# Altium PCB tinyCamera.PcbDoc (part 2 of 2)
Units mil, origin at the board's own origin, x right, y up, seen from the top; angles counter-clockwise.
Board outline 1732.37 x 1495.98 mil, 4 copper layers (Top Layer, L2_GND, L3_PWR, Bottom Layer), stack 61.811 mil thick; 94 components, 77 nets, 443 pads, 253 vias.
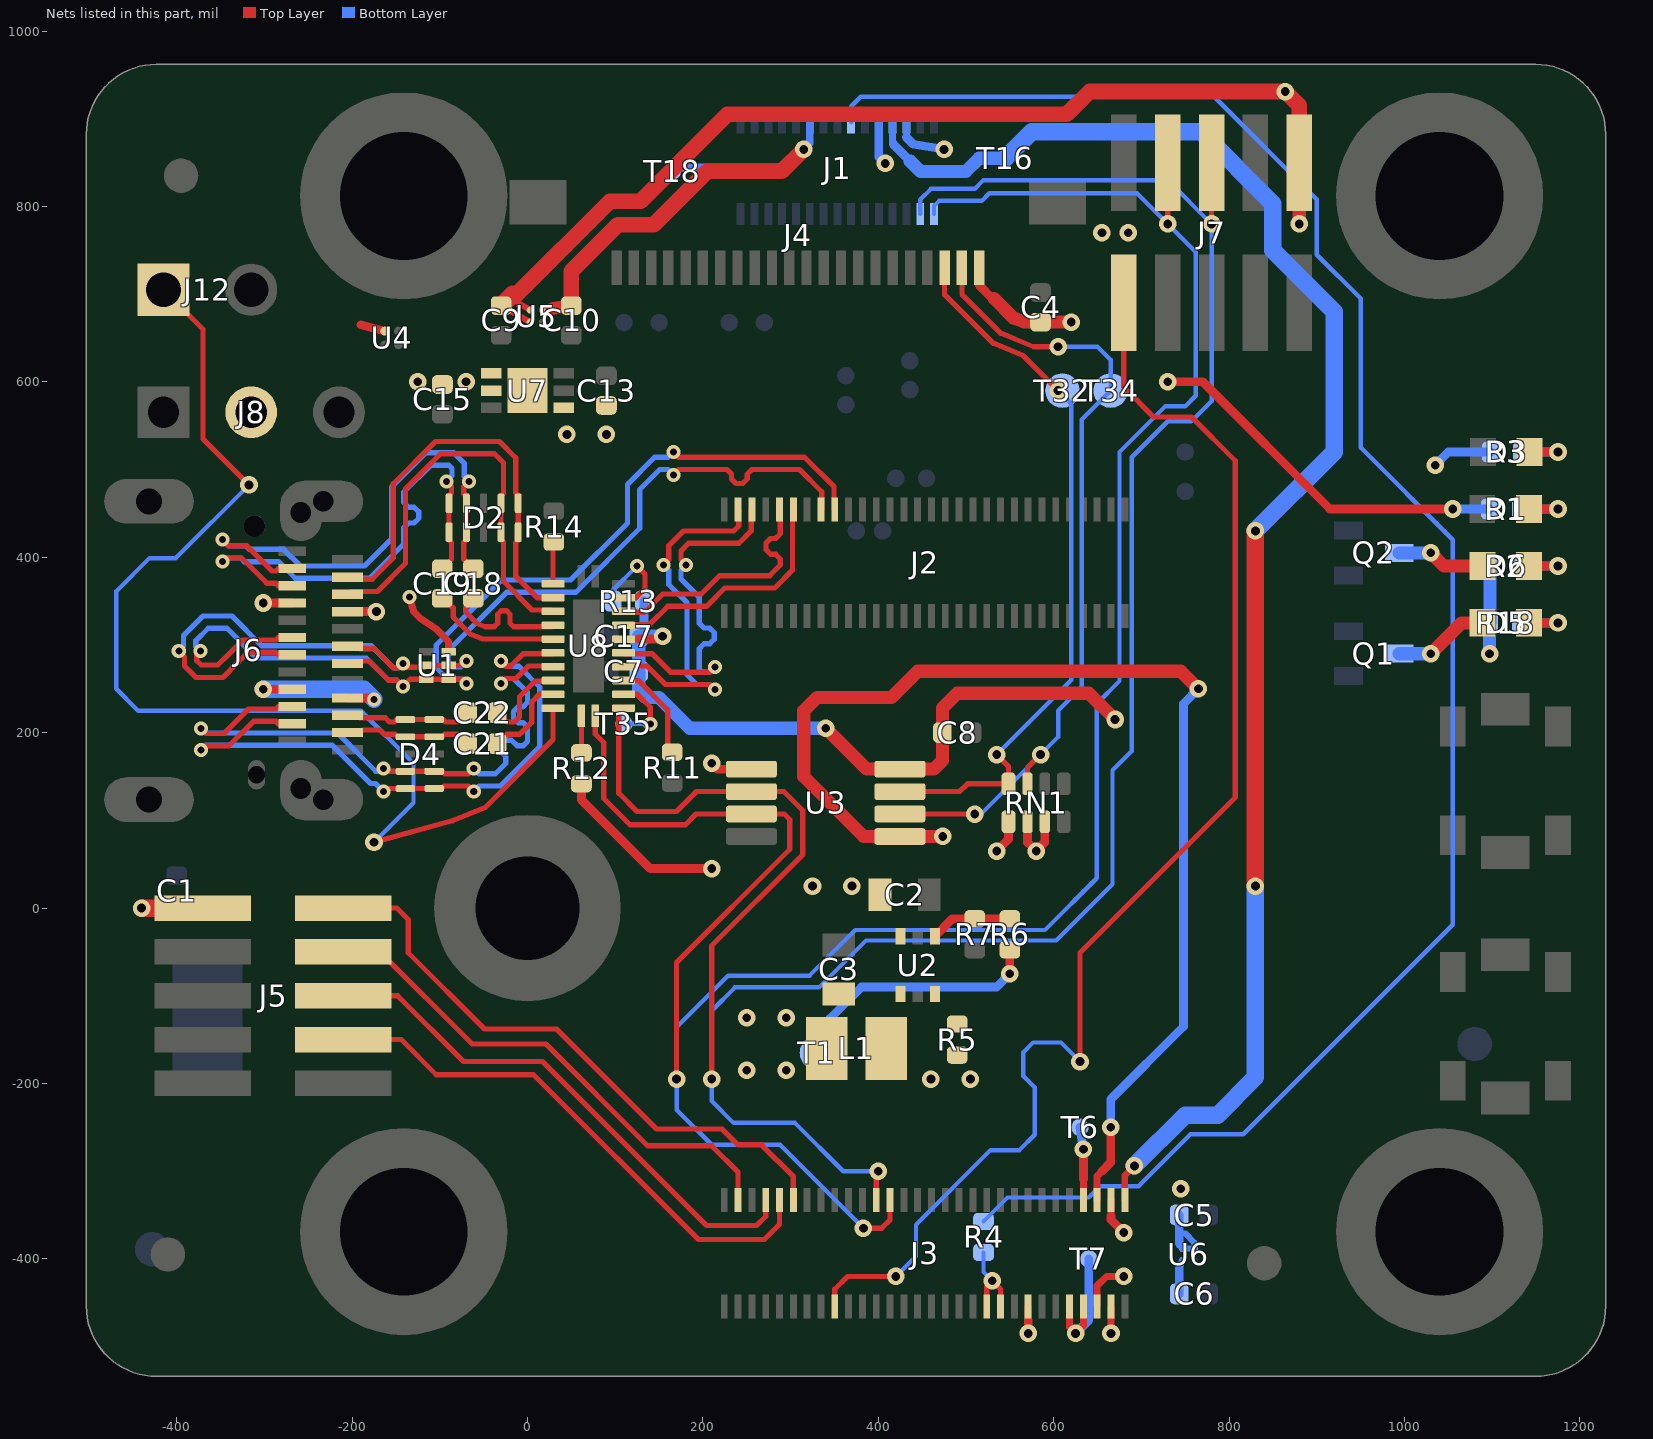
[diagram p4: the nets of this part, all layers, seen from the top]

## Via types
v1: diameter 20, hole 10, Top Layer to Bottom Layer, 155 vias
v2: diameter 16, hole 8, Top Layer to Bottom Layer, 90 vias
v3: diameter 30, hole 15, Top Layer to Bottom Layer, 8 vias

## Nets (pads, with @x,y where several pads share a name; then routed paths per layer and width w, separated by ;. In a path a pad name is that pad's centre, name@x,y a point inside that pad or via, vN(x,y) a via of type N, cw(c..) or ccw(c..) an arc to the next point about the centre after c; other vN are vias at no path point) (continued)
MCLK: J1.7 R4.2 | length 2168.6
  Bottom Layer w5: J1.7@369.09,895.68 369.09,914.09 380,925 783,925 900,808 900,745 950,695 950,525 1055,420 1055,-19 816,-258 756,-258 697,-317 653,-317 640,-330 547.28,-330 R4.2@519.99,-357.28
NetD1_1: D1.1 R1.2 | length 75.8
  Top Layer w10: D1.1@1141.79,455.01 v1(1175,455.01)
  Bottom Layer w10: R1.2@1132.4,455 v1(1175,455.01)
NetD3_1: D3.1 R3.2 | length 73.9
  Top Layer w10: D3.1@1142.73,520.01 v1(1175,520.01)
  Bottom Layer w10: R3.2@1133.35,520 v1(1175,520.01)
NetD5_1: D5.1 R18.2 | length 75.8
  Top Layer w10: D5.1@1141.79,325.17 v1(1175,325.17)
  Bottom Layer w10: R18.2@1132.41,325.16 v1(1175,325.17)
NetD5_2: D5.2 Q1.3 | length 109.3
  Top Layer w15: v1(1030,290) 1065.17,325.17 D5.2@1088.64,325.17
  Bottom Layer w15: Q1.3@993.94,290 v1(1030,290)
NetD6_1: D6.1 R2.2 | length 75.2
  Top Layer w10: D6.1@1142.1,390.01 v1(1175,390.01)
  Bottom Layer w10: R2.2@1132.72,390 v1(1175,390.01)
NetD6_2: D6.2 Q2.3 | length 101.2
  Top Layer w15: v1(1030,405) 1044.99,390.01 D6.2@1088.95,390.01
  Bottom Layer w15: Q2.3@993.94,405 v1(1030,405)
NetJ3_40: J3.40 J3.42 R4.1 | length 101.6
  Top Layer w6: J3.40@523.62,-454.33 523.62,-431.38 v1(530,-425) 539.37,-434.37 J3.42@539.37,-454.33
  Bottom Layer w5: R4.1@519.99,-392.72 519.99,-410.06 520,-415 v1(530,-425)
NetJ3_53: J3.53 T6.1 | length 83.4
  Top Layer w8: J3.53@633.86,-333.07 633.86,-309
  Top Layer w10: 633.86,-309 v1(633.86,-275)
  Bottom Layer w10: T6.1@630,-250 v1(633.86,-275)
NetJ12_1: J12.1 U8.22 | length 1336.9
  Top Layer w6: J12.1@-415,705 -370,660 -370,535 v1(-317.5,482.5) ; v1(-175,75) -84.83,99.62 -48.22,114.78 29.23,192.23 U8.22@29.23,227.95
  Bottom Layer w5: v1(-317.5,482.5) -401,399 -431,399 -469,361 -469,250 -444,225 -190,225 -130,165 -130,120 v1(-175,75)
NetL1_1: L1.1 U2.4
NetR5_2: R5.2 U2.6
NetR6_1: R6.1 R7.2 U2.1 | length 93.5
  Top Layer w10: U2.1@464.68,-32.01 484.41,-12.28 R7.2@510,-12.28 R6.1@550,-12.29
NetR11_2: R11.2 U8.3 | length 114.7
  Top Layer w6: U8.3@109.54,259.45 126.55,259.45 160,226 160,182.72 R11.2@165.01,177.72
NetR12_1: R12.1 U8.23 | length 42.3
  Top Layer w6: R12.1@61.51,177.03 U8.23@61.51,219.29
NetR13_2: R13.2 U8.9 | length 109.8
  Top Layer w6: U8.9@109.54,353.94 123.94,353.94 134,364 134,381 v2(125,390)
  Bottom Layer w5: R13.2@97.28,349.99 97.28,362.28 v2(125,390)
NetR14_1: R14.1 U8.13 | length 47.9
  Top Layer w6: U8.13@29.23,369.69 29.23,416.51 R14.1@30.01,417.29
NetT35_1: T35.1 U8.2 | length 85.5
  Top Layer w6: U8.2@109.54,243.7 125.3,243.7 140,229 v2(140,210)
  Bottom Layer w5: T35.1@110,210 v2(140,210)
P1V2D: C6.2 J1.4 J3.58 J3.59 T16.1 U6.A2 | length 1878.6
  Top Layer w7.5: J3.59@681.1,-333.07 681.1,-304.9 v1(692,-294)
  Top Layer w8: v1(665.35,-485) J3.58@665.35,-454.33
  Top Layer w20: v1(830,25) v1(830,430)
  Bottom Layer w8: J1.4@416.33,895.68 416.33,872.67 417,872 ; 743.07,-411 U6.A2@746.75,-401.89
  Bottom Layer w10: 417,872 417,871 436.5,851.5 ; C6.2@743.07,-440 743.07,-411
  Bottom Layer w15: 436.5,851.5 448,840 500,840 515,855 T16.1@545,855
  Bottom Layer w20: T16.1@545,855 575,885 768,885 850,803 850,750 920,680 920,520 v1(830,430) ; v1(692,-294) 750,-236 787,-236 830,-193 v1(830,25)
P1V8D: J1.3 J1.5 J3.55 U3.1 U3.5 | length 1530.8
  Top Layer w8: J3.55@649.61,-333.07 649.61,-305.39 655,-300
  Top Layer w10: v1(210,165) 216.61,158.39 U3.1@255.35,158.39 ; 655,-300 665,-290 v1(665,-250)
  Top Layer w15: v1(473.39,81.61) U3.5@424.65,81.61 383.39,81.61 315,150 315,225 330,240 415,240 445,270 745,270 v1(765,250)
  Bottom Layer w8: 432.08,878.92 J1.3@432.08,895.68
  Bottom Layer w10: J1.5@400.59,895.68 400.59,856.41 v1(408,849) ; 432.08,878.92 440,871 v1(475,865) ; v1(665,-250) 665,-218 748,-135 748,233 v1(765,250)
P2V8A: C10.2 J1.10 T18.1 U5.A2 | length 589
  Top Layer w7.5: U5.A2@16.89,681.89 29.05,683.74
  Top Layer w15: 29.05,683.74 C10.2@50,686.93
  Top Layer w18: C10.2@50,686.93 50,726 102.99,778.99 143.99,778.99 205,840 290,840 v1(315,865)
  Bottom Layer w8: v1(315,865) 321.85,871.85 J1.10@321.85,895.68
  Bottom Layer w10: T18.1@165,840 169,844 294,844 v1(315,865)
P3V3_SOM: C1.2 J3.56 J3.57 J5.1 R3.1 | length 282
  Top Layer w8: J3.56@649.61,-454.33 649.61,-430.39 660,-420 v1(680,-420) ; 665.35,-351 J3.57@665.35,-333.07
  Top Layer w10: 665.35,-351 665.35,-355.35 v1(680,-370)
  Top Layer w20: v1(-440,0) J5.1@-370,0
  Bottom Layer w10: v1(1035,505) 1050,520 R3.1@1097.92,520
  Bottom Layer w15: v1(-440,0) -403.07,0 C1.2@-400,3.07
P3V3D: C3.2 C4.2 C5.2 C7.2 C8.2 C9.2 C17.2 J4.1 J7.1 L1.2 R2.1 R5.1 R6.2 R13.1 R18.1 RN1.5 RN1.6 RN1.7 T1.1 U3.8 U5.A1 U5.B1 U6.A1 U6.B1 U8.6 | length 2731.4
  Top Layer w7: C9.2@-30,686.93 U5.B1@3.11,668.11 ; -11,690 U5.A1@3.11,681.89
  Top Layer w8: U8.6@109.54,306.69 127,306.69
  Top Layer w10: 127,306.69 150.69,306.69 v1(154,310) ; J4.1@515,730 515,710 530,695 532,695 ; v1(535,65) 548.5,78.5 RN1.5@548.5,98.34 ; v1(550,-75) R6.2@550,-47.72 ; RN1.6@570.15,98.34 570.15,74.85 v1(580,65) 589.84,74.84 RN1.7@589.84,98.34
  Top Layer w15: v1(340,205) 386.61,158.39 U3.8@424.65,158.39 463.39,158.39 473.07,168.07 C8.2@473.07,200 473.07,228.07 490,245 640,245 v1(670,215) ; 532,695 553.88,673.12 566.07,668.07 C4.2@585,668.07 v1(620,668.07) ; v1(880,780) J7.1@880,850
  Top Layer w18: -17,699.93 -12.07,699.93 94,806 129,806 228,905 615,905 641,931 v1(864,931) 880,915 J7.1@880,850
  Top Layer w20: C9.2@-30,686.93 -17,699.93
  Bottom Layer w7: 743.07,-382 743.07,-384.43 U6.A1@746.75,-388.11 U6.B1@760.53,-388.11 760.53,-381.53 750,-371
  Bottom Layer w10: C17.2@126.93,310 132.72,315.78 R13.1@132.72,349.99 ; 345,-126 381,-90 535,-90 v1(550,-75) ; 743.07,-382 C5.2@743.07,-350
  Bottom Layer w15: v1(154,310) C17.2@126.93,310 C7.2@126.93,270 126.93,248.07 135,240 150,240 185,205 v1(340,205) ; v1(1096.98,290) R18.1@1096.98,325.16 1097.29,325.47 R2.1@1097.29,390
  other v1: 745,-320 460,-195 505,-195 250,-185 295,-185 250,-125 295,-125
P5V: C2.2 C15.2 J3.46 J3.52 J3.54 J8.2 R1.1 R12.2 T7.1 U2.3 U4.A2 U7.4 U7.5 | length 843.9
  Top Layer w8: 570.87,-470 J3.46@570.87,-454.33 ; J3.52@618.11,-454.33 618.11,-478.11 v1(625,-485) 633.86,-476.14 J3.54@633.86,-454.33
  Top Layer w10: -190,665 U4.A2@-162.88,657.88 ; R12.2@61.51,141.6 61.51,123.49 140,45 v1(210,45) ; v1(570.87,-485) 570.87,-470 ; v1(730,600) 770,600 915,455 v1(1055,455)
  Bottom Layer w10: v1(625,-485) 640,-470 T7.1@640,-400 ; v1(1055,455) R1.1@1096.97,455
  other v1: 325,25 370,25 -125,600 -70,600 655,770 685,770
PROGN: J3.18 J7.10 | length 1535.5
  Top Layer w6: J3.18@350.39,-454.33 350.39,-434.61 365,-420 v1(420,-420) ; v1(630,-175) 630,-51 807,126 807,510 757,560 714,560 680,594 J7.10@680,690
  Bottom Layer w5: v1(420,-420) 443,-397 443,-361 528.05,-275.95 560.95,-275.95 578.45,-258.45 578.45,-204.65 565.5,-191.7 565.5,-164.3 576.5,-153.3 608.3,-153.3 v1(630,-175)
RX1_N: C19.1 U8.17 | length 150.5
  Top Layer w6: C19.1@-97.29,353.07 -95.54,353.07 -84.77,342.3 -84.77,331.97 -65.49,312.69 -51.01,306.69 U8.17@29.23,306.69
RX1_P: C18.1 U8.16 | length 153.3
  Top Layer w6: C18.1@-61.75,353.07 -61.75,351.32 -70.77,342.3 -70.77,337.77 -57.56,324.56 -48.22,320.69 -37.99,320.69 -33.89,324.79 -33.89,335.02 -29.79,339.12 -23.99,339.12 -19.89,335.02 -19.89,324.79 -15.79,320.69 27.48,320.69 U8.16@29.23,322.44
RX2_N: C22.1 U8.20 | length 101.3
  Top Layer w6: C22.1@-34.51,222.88 -23.67,212.04 -15,212.04 -9,218.04 -9,241 8.58,258.57 28.36,258.57 U8.20@29.23,259.45
RX2_P: C21.1 U8.21 | length 101.3
  Top Layer w6: C21.1@-34.51,187.34 -23.81,198.04 -9.2,198.04 5,212.24 5,235.2 14.37,244.57 28.36,244.57 U8.21@29.23,243.7
SCL: J1.29 J3.23 J7.5 U3.2 U8.1 | length 2829.7
  Top Layer w6: U8.1@109.54,227.95 104.1,227.95 104,227.85 104,131 125,110 170,110 192.8,132.8 U3.2@255.35,132.8 292.2,132.8 314,111 314,61 210,-43 v1(210,-195) ; J3.23@397.64,-333.07 397.64,-302.36 v1(400,-300) ; v1(780,780) J7.5@780,850
  Bottom Layer w5: v1(400,-300) 360,-300 305,-245 235,-245 210,-220 v1(210,-195) 210,-117 236.5,-90.5 332.5,-90.5 386,-37 603,-37 667,27 667,157 689,179 689,514 730,555 757,555 780,578 v1(780,780) 730,830 520,830 510,820 460,820 447.83,807.83 J1.29@447.83,791.35
SCL33: J4.3 RN1.4 T32.1 U3.7 | length 825.1
  Top Layer w6: U3.7@424.65,132.8 492.8,132.8 501.65,141.65 RN1.4@548.5,141.65 548.5,161.5 v1(535,175) ; J4.3@475.63,730 475.63,699.37 530.93,644.07 565.07,629.93 v1(605,590)
  Bottom Layer w5: v1(535,175) 620,260 620,575 v1(605,590)
SDA: J1.30 J3.25 J7.7 U3.3 U8.24 | length 2834.6
  Top Layer w6: U8.24@77.25,219.28 77.25,198.49 87,188.74 87,125 117,95 180,95 192.2,107.2 U3.3@255.35,107.2 292.8,107.2 299,101 299,67 170,-62 v1(170,-195) ; v1(383,-365) 404,-365 413.39,-355.61 J3.25@413.39,-333.07 ; v1(730,780) J7.7@730,850
  Bottom Layer w5: v1(383,-365) 288,-270 210,-270 170,-230 v1(170,-195) 170,-136 229,-77 321.65,-77 373.65,-25 590,-25 649,34 649,233 675,259 675,520 727,572 750,572 762,584 762,748 v1(730,780) 695,815 526.63,815 517.93,806.3 469.26,806.3 463.58,800.62 J1.30@463.58,791.35
SDA33: J4.2 RN1.3 T34.1 U3.6 | length 938.7
  Top Layer w6: U3.6@424.65,107.2 v1(510,107.2) ; J4.2@495.32,730 495.32,699.68 539.51,655.49 576.9,640 v1(605,640) ; RN1.3@570.15,141.65 570.15,160.15 v1(585,175)
  Bottom Layer w5: v1(510,107.2) 517.2,107.2 v1(585,175) 605,195 605,225 632.09,252.09 632.09,557.09 T34.1@665,590 665,625 650,640 v1(605,640)
SS_RX1_N: C19.2 D2.5 D2.6 J6.B10 | length 605.1
  Top Layer w6: v2(-347.93,395.05) -343.98,399 -325.8,399 -297.16,370.36 -286.95,370.36 -284.11,367.51 J6.B10@-268.2,367.52 ; C19.2@-97.29,386.93 -86.52,397.7 -86.52,416.52 -89.37,419.37 D2.6@-89.37,428.56 D2.5@-89.37,461.44 -89.37,470.63 -86.52,473.48 -86.52,480.49 v2(-92.52,486.49)
  Bottom Layer w6: v2(-347.93,395.05) -347.49,395.49 -347.08,395.49 -343.57,399 -326.8,399 -322.8,395 -283.8,395 -264.8,376 -180,376 -141,415 -141,433.79 -135.73,439.06 -129.27,439.06 -124,444.33 -124,451.79 -129.27,457.06 -135.73,457.06 -141,462.33 -141,474.2 -110.2,505 -89.8,505 -86,501.2 -86,493.01 v2(-92.52,486.49)
SS_RX1_P: C18.2 D2.4 D2.7 J6.B11 | length 608.8
  Top Layer w6: v2(-347.93,420.05) -340.86,413 -320,413 -291.36,384.36 -286.97,384.36 -284.13,387.2 J6.B11@-268.2,387.2 ; v2(-66.52,486.49) -72.52,480.49 -72.52,472.52 -69.68,469.68 D2.4@-69.68,461.44 D2.7@-69.68,428.56 -69.68,420.32 -72.52,417.48 -72.52,397.7 C18.2@-61.75,386.93
  Bottom Layer w6: v2(-347.93,420.05) -340.88,413 -321,413 -317,409 -278,409 -259,390 -185.8,390 -155,420.8 -155,480 -116,519 -84,519 -72,507 -72,491.97 v2(-66.52,486.49)
SS_RX2_N: C22.2 D4.5 D4.6 J6.A10 | length 147
  Top Layer w6: J6.A10@-205.21,219.88 -193.62,219.88 -190.78,217.04 -162.24,217.04 -157.24,212.04 -151.96,212.04 -149.05,214.95 D4.6@-139.19,214.95 D4.5@-106.31,214.95 -96.45,214.95 -93.54,212.04 -79.21,212.04 C22.2@-68.37,222.88
SS_RX2_P: C21.2 D4.4 D4.7 J6.A11 | length 146.8
  Top Layer w6: J6.A11@-205.21,200.2 -191.06,200.2 -188.22,203.04 -168.04,203.04 -163.04,198.04 -151.04,198.04 -148.26,195.26 D4.7@-139.19,195.26 D4.4@-106.31,195.26 -97.24,195.26 -94.46,198.04 -79.07,198.04 C21.2@-68.37,187.34
SS_RX_N: J2.5 U8.5 | length 422
  Top Layer w6: U8.5@109.54,290.95 110.41,290.07 141.93,290.07 163,269 207.73,269 v2(213.73,275) ; v2(181,391.27) 175,397.27 175,407.2 183.8,416 241,416 255.03,430.03 255.03,453.45 J2.5@255.91,454.33
  Bottom Layer w6: v2(181,391.27) 175,385.27 175,375 196,354 196,324.57 201.27,319.29 207.73,319.29 213,314.02 213,306.57 207.73,301.29 201.27,301.29 196,296.02 196,271.8 198.8,269 207.73,269 v2(213.73,275)
SS_RX_P: J2.3 U8.4 | length 423.6
  Top Layer w6: U8.4@109.54,275.2 110.41,276.07 136.13,276.07 157.2,255 207.73,255 v2(213.73,249) ; v2(155,391.27) 161,397.27 161,413 178,430 235.2,430 241.03,435.83 241.03,453.45 J2.3@240.16,454.33
  Bottom Layer w6: v2(155,391.27) 161,385.27 161,369.2 182,348.2 182,266 193,255 207.73,255 v2(213.73,249)
SS_TX1_N: D2.2 D2.9 J6.A3 U8.15 | length 506.4
  Top Layer w6: J6.A3@-205.21,357.68 -201.89,361 -171.2,361 -139,393.2 -139,478 -99,518 -37.8,518 -27.47,507.67 -27.47,472.53 -30.31,469.69 D2.2@-30.32,461.44 D2.9@-30.32,428.56 -30.31,420.31 -27.47,417.47 -27.47,372.67 5.26,339.94 27.48,339.94 U8.15@29.23,338.19
SS_TX1_P: D2.1 D2.10 J6.A2 U8.14 | length 505.3
  Top Layer w6: J6.A2@-205.21,377.36 -202.85,375 -177,375 -153,399 -153,483.8 -104.8,532 -32,532 -13.47,513.47 -13.47,473.47 -10.63,470.63 D2.1@-10.63,461.44 D2.10@-10.63,428.56 -10.63,419.37 -13.47,416.53 -13.47,378.47 11.06,353.94 U8.14@29.23,353.94
SS_TX2_N: D4.2 D4.9 J6.B3 U8.19 | length 745.3
  Top Layer w6: v2(-372.24,204.99) -366.29,199.05 -346.06,199.05 -318.23,226.88 -286.97,226.88 -284.13,229.72 J6.B3@-268.2,229.72 ; v2(-164.24,159.05) -161.08,155.89 D4.9@-139.19,155.89 D4.2@-106.31,155.89 D4.2@-97.13,155.89 ; D4.2@-97.12,155.9 -94.27,153.05 -67.26,153.05 v2(-61.26,159.05) ; v2(-30.35,255.78) -24.35,261.78 -13.21,261.78 1.08,276.07 28.36,276.07 U8.19@29.23,275.2
  Bottom Layer w6: v2(-372.24,204.99) -366.74,199.49 -216.49,199.49 -173,156 -167.29,156 v2(-164.24,159.05) ; v2(-61.26,159.05) -55.26,153.05 -36.75,153.05 -24.78,165.02 -24.78,172.48 -30.92,178.62 -30.92,186.08 -25.65,191.35 -18.2,191.35 -12.05,185.2 -4.6,185.2 0,189.8 0,206.11 -5.27,211.38 -10.73,211.38 -16,216.65 -16,224.11 -10.73,229.38 -5.27,229.38 0,234.65 0,245.99 -15.8,261.78 -24.35,261.78 v2(-30.35,255.78)
SS_TX2_P: D4.1 D4.10 J6.B2 U8.18 | length 748.1
  Top Layer w6: v2(-372.24,179.99) -367.19,185.05 -340.26,185.05 -312.43,212.88 -286.95,212.88 -284.11,210.03 J6.B2@-268.2,210.04 ; v2(-164.24,133.05) -161.09,136.2 D4.10@-148.38,136.2 ; D4.10@-148.37,136.21 D4.10@-139.19,136.21 D4.1@-106.31,136.21 -98.07,136.21 -95.23,139.05 -67.26,139.05 v2(-61.26,133.05) ; v2(-30.35,281.78) -24.35,275.78 -19.01,275.78 -4.72,290.07 28.36,290.07 U8.18@29.23,290.95
  Bottom Layer w6: v2(-372.24,179.99) -366.74,185.49 -222.29,185.49 -178.8,142 -173.19,142 v2(-164.24,133.05) ; v2(-61.26,133.05) -55.26,139.05 -30.95,139.05 14,184 14,251.78 -10,275.78 -24.35,275.78 v2(-30.35,281.78)
SS_TX_N: J2.11 U8.7 | length 288.2
  Top Layer w6: U8.7@109.54,322.44 110.41,323.32 139.32,323.32 160,344 204,344 225,365 282,365 302.28,385.28 302.28,453.45 J2.11@303.15,454.33
SS_TX_P: J2.9 U8.8 | length 285.2
  Top Layer w6: U8.8@109.54,338.19 110.41,337.32 133.52,337.32 154.2,358 198.2,358 219.2,379 276.2,379 288.28,391.07 288.28,398.07 283,403.34 277.27,403.34 272,408.62 272,416.07 277.27,421.34 283,421.34 288.28,426.62 288.28,453.45 J2.9@287.4,454.33
TCK: J3.3 J5.4 | length 586.1
  Top Layer w6: J5.4@-210,-50 -168,-50 -63,-155 21,-155 137,-271 210,-271 240.16,-301.16 J3.3@240.16,-333.07
TDI: J3.9 J5.8 | length 626.6
  Top Layer w6: J5.8@-210,-150 -144,-150 -104,-190 7,-190 195,-378 270,-378 287.4,-360.6 J3.9@287.4,-333.07
TDO: J3.7 J5.6 | length 612.9
  Top Layer w6: J5.6@-210,-100 -148,-100 -73,-175 17,-175 204,-362 261,-362 271.65,-351.35 J3.7@271.65,-333.07
TMS: J3.11 J5.2 | length 689.1
  Top Layer w6: J5.2@-210,0 -149,0 -136,-13 -136,-51 -49,-138 33,-138 147,-252 222,-252 240,-270 267,-270 303.15,-306.15 J3.11@303.15,-333.07
USB2_N: J2.17 J6.A7 J6.B7 U1.3 U1.4 | length 1256.2
  Top Layer w6: v2(-372.61,292.97) -377,288.58 -377,282 -372,277 -353.11,277 -339.81,290.29 -324.49,305.61 -286.97,305.61 -284.13,308.45 J6.B7@-268.2,308.45 ; J6.A7@-205.21,278.94 -191.06,278.94 -188.22,281.78 -180.58,281.78 -158.58,259.78 -149.14,259.78 v2(-142.14,252.78) -134.02,260.91 U1.3@-115.54,260.91 -89.95,260.91 -74.47,260.91 v2(-69.35,255.78) ; v2(166.27,520) 172.27,514 316,514 349.52,480.48 349.52,455.2 J2.17@350.39,454.33
  Bottom Layer w6: v2(-372.61,292.97) -378.11,298.47 -378.11,304.89 -364,319 -342.8,319 -308.8,285 -183.8,285 -158.58,259.78 -149.14,259.78 v2(-142.14,252.78) ; v2(-69.35,255.78) -74.56,261 -91,261 -104,274 -104,299.8 -29.8,374 49.2,374 114,438.8 114,483 145,514 160.27,514 v2(166.27,520)
USB2_P: J2.15 J6.A6 J6.B6 U1.2 U1.5 | length 1251.7
  Top Layer w6: v2(-397.61,292.97) -391,286.36 -391,276.19 -377.8,263 -347.31,263 -329.92,280.39 -318.69,291.61 -286.95,291.61 -284.11,288.78 J6.B6@-268.2,288.78 ; J6.A6@-205.21,298.62 -193.62,298.62 -190.78,295.78 -174.78,295.78 -152.79,273.78 -147.14,273.78 v2(-142.14,278.78) -138.02,274.66 -117.54,274.66 U1.2@-115.54,276.66 -89.95,276.66 -74.47,276.66 v2(-69.35,281.78) ; v2(166.27,494) 172.27,500 227.31,500 232.59,494.73 232.59,489.27 237.86,484 245.31,484 250.59,489.27 250.59,494.73 255.86,500 310.2,500 335.52,474.68 335.52,455.2 J2.15@334.65,454.33
  Bottom Layer w6: v2(-397.61,292.97) -392.11,298.47 -392.11,310.69 -369.8,333 -337,333 -303,299 -178,299 -152.79,273.78 -147.14,273.78 v2(-142.14,278.78) ; v2(-69.35,281.78) -76.13,275 -85.2,275 -90,279.8 -90,294 -24,360 55,360 128,433 128,477.2 150.8,500 160.27,500 v2(166.27,494)
VBUSC: C13.2 J6.A4 J6.A9 J6.B4 J6.B9 U1.6 U7.1 U7.7 | length 341.1
  Top Layer w8: v2(-134.67,354.45) -129.5,337.5 -122.04,330.04 -103.96,317.96 -89.95,303.95 U1.6@-89.95,292.4
  Top Layer w10: v1(-301.17,249.41) J6.B4@-268.2,249.41 ; v1(-301.17,347.82) J6.B9@-268.2,347.83 ; J6.A9@-205.21,239.57 -177.57,239.57 v2@-176,238 ; J6.A4@-205.21,337.99 v1(-172.24,337.99)
  Bottom Layer w19.68: v1(-301.17,249.41) -186.41,249.41 v2(-175,238)
  other v1: 45,540 90,540
pads on no net: FID1.1 FID2.1 FID3.1 FID4.1 FID5.1 FID6.1 J1.1 J1.2 J1.11 J1.13 J1.14 J1.17 J1.18 J2.4 J2.6 J2.10 J2.12 J2.16 J2.18 J2.39 J2.40 J2.41 J2.42 J2.45 J2.46 J2.47 J2.48 J2.51 J2.52 J2.53 J2.54 J2.57 J2.58 J2.59 J2.60 J3.4 J3.6 J3.8 J3.10 J3.12 J3.14 J3.20 J3.22 J3.24 J3.26 J3.28 J3.29 J3.30 J3.31 J3.32 J3.33 J3.34 J3.35 J3.36 J3.37 J3.38 J3.39 J3.41 J3.43 J3.45 J3.60 J4.8 J4.9 J4.11 J4.12 J5.7 J6. J6.A8 J6.B8 RN1.2 SW1.G1 SW1.G2 SW1.G3 SW1.G4 SW2.G1 SW2.G2 SW2.G3 SW2.G4 U7.3 U8.10

## Polygon pours and split planes (outlines as drawn)
GND on L3_PWR "L3_PWR-GND" (solid, pour order 15): -465,93 165,93 175,103 175,165 202.5,192.5 392.5,192.5 545,345 545,583 520,608 520,755 445,830 275,830 193,748 94,748 -123,531 -466,531 -483,514 -483,111 -465,93
P1V8D on L3_PWR "L3_PWR-P1V8D" (solid, pour order 12): 505,875 405,875 395,865 395,845 406,834 447,834 448,833 462,833 530,765 530,611 550,591 550,340 395,185 210,185 185,160 185,105 275,15 440,15 495,70 630,205 630,630 600,660 600,820 545,875 505,875
P5V on L3_PWR "L3_PWR-P5V" (solid, pour order 13): -340,545 -150,545 75,770 150,770 185,770 265,850 355,850 395,890 555,890 610,835 610,765 625,750 690,750 705,765 705,895 660,940 -296,940 -355,881 -355,560 -340,545
P3V3D on L3_PWR "L3_PWR-P3V3D" (solid, pour order 16): 832.19,932.01 841.19,941 895,941 903,932.01 1149.35,932.02 1153.73,931.83 1158.05,931.26 1162.31,930.32 1166.47,929 1170.5,927.34 1174.37,925.32 1178.05,922.98 1181.51,920.32 1184.73,917.38 1187.67,914.16 1190.33,910.7 1192.67,907.02 1194.69,903.15 1196.35,899.12 1197.67,894.96 1198.61,890.7 1199.18,886.38 1199.37,882.02 1199.37,579.37 1185,565 1020,565 1005,550 1005,490 1020,475 1070,475 1105,440 1105,-140 900,-345 -210,-345 -300,-255 -300,54 -263,91 188,91 272,7 456,7 645,196 645,625 610,660 610,730 622.5,742.5 697.5,742.5 720,765 720,922 730,932
P3V3_SOM on L3_PWR "L3_PWR-P3V3_SOM" (solid, pour order 14): 1185,550 1030,550 1020,540 1020,500 1030,490 1065,490 1120,435 1120,-150 915,-355 -225,-355 -345,-235 -345,50 -365,70 -444,70 -465,49 -465,-410 -385,-490 1160,-490 1205,-445 1205,530 1185,550
P5V on Bottom Layer "BOTTOM-P5V 1" (solid, pour order 19): 45,-130 45,-310 15,-340 15,-490 30,-505 130,-505 130,-405 180,-355 180,-285 150,-255 150,-140 227.5,-62.5 227.5,-12.5 255,15 410,15 510,115 510,175 582.72,247.72 582.72,310 595,322.28 595,565 582.72,577.28 582.72,662.72 605,685 650,685 695,640 695,600 710,585 735,585 750,600 750,745 690,805 540,805 528.8,793.8 528.8,619.65 541.24,607.21 541.24,381.24 485,325 485,285 325,125 210,125 135,50 135,-40 45,-130
VBUSC on Bottom Layer "BOTTOM-VBUSC" (solid, pour order 18): 100,560 25,560 -180,355 -275,355 -300,380 -415,380 -457,338 -457,262 -430,235 -205,235 -185,235 -182.5,232.5 -180,230 -170,230 -167,233 -167,237 -192,262 -397,262 -430,295 -430,325 -420,335 -317,335 -292,310 -140,310 -25,425 -25,440 50,515 90,515 105,530 105,555
P5V on Bottom Layer "BOTTOM-P5V" (solid, pour order 17): 655,-385 610,-385 530,-465 85,-465 25,-405 15,-405 15,-490 30,-505 620,-505 655,-470 655,-385
GND on L2_GND "L2_GND-GND" (solid, remove dead copper, pour order 0): -483,882.02 -482.77,887.25 -482.09,892.44 -480.96,897.55 -479.38,902.54 -477.38,907.38 -474.96,912.02 -472.15,916.43 -468.96,920.59 -465.43,924.45 -461.57,927.98 -457.41,931.17 -453,933.98 -448.36,936.4 -443.52,938.4 -438.53,939.98 -433.42,941.11 -428.23,941.79 -423,942.02 1149.37,942.02 1154.6,941.79 1159.79,941.11 1164.9,939.98 1169.89,938.4 1174.73,936.4 1179.37,933.98 1183.78,931.17 1187.94,927.98 1191.8,924.45 1195.33,920.59 1198.52,916.43 1201.33,912.02 1203.75,907.38 1205.75,902.54 1207.33,897.55 1208.46,892.44 1209.14,887.25 1209.37,882.02 1209.37,-453.96 1209.14,-459.19 1208.46,-464.38 1207.33,-469.49 1205.75,-474.48 1203.75,-479.32 1201.33,-483.96 1198.52,-488.37 1195.33,-492.53 1191.8,-496.39 1187.94,-499.92 1183.78,-503.11 1179.37,-505.92 1174.73,-508.34 1169.89,-510.34 1164.9,-511.92 1159.79,-513.05 1154.6,-513.73 1149.37,-513.96 -423,-513.96 -428.23,-513.73 -433.42,-513.05 -438.53,-511.92 -443.52,-510.34 -448.36,-508.34 -453,-505.92 -457.41,-503.11 -461.57,-499.92 -465.43,-496.39 -468.96,-492.53 -472.15,-488.37 -474.96,-483.96 -477.38,-479.32 -479.38,-474.48 -480.96,-469.49 -482.09,-464.38 -482.77,-459.19 -483,-453.96 -483,882.02

## Other copper
Top Layer:
  region net GND: 30,665 94,665 111,648 111,601 105,595 75,595 65,585 30,585 30,595 60,595 65,600 65,630 60,635 -65,635 -70,640 -70,660 -65,665 -20,665 -10,655 20,655 30,665
  region net GND: 163.14,475.27 162.59,478 161.05,480.32 158.73,481.86 156,482.41 153.27,481.86 152.49,481.35 150.95,480.32 149.41,478 148.86,475.27 149.41,472.54 150.95,470.22 152.49,469.2 153.27,468.68 156,468.13 158.73,468.68 161.05,470.22 162.59,472.54 163.14,475.27
  region net GND: 163.14,541.27 162.59,544 161.05,546.32 158.73,547.86 156,548.41 153.27,547.86 152.49,547.35 150.95,546.32 149.41,544 148.86,541.27 149.41,538.54 150.95,536.22 152.49,535.2 153.27,534.68 156,534.13 158.73,534.68 161.05,536.22 162.59,538.54 163.14,541.27
  region net GND: -108.01,240.78 -108.55,243.52 -110.1,245.83 -112.41,247.38 -115.14,247.92 -117.88,247.38 -118.65,246.86 -120.19,245.83 -121.74,243.52 -122.28,240.78 -121.74,238.05 -120.19,235.74 -118.65,234.71 -117.88,234.19 -115.14,233.65 -112.41,234.19 -110.1,235.74 -108.55,238.05 -108.01,240.78
  region net GND: -385.61,192.05 -386.1,194.49 -387.48,196.57 -389.56,197.95 -392,198.43 -394.44,197.95 -395.14,197.49 -396.52,196.57 -397.9,194.49 -398.39,192.05 -397.9,189.61 -396.52,187.53 -395.14,186.61 -394.44,186.14 -392,185.66 -389.56,186.14 -387.48,187.53 -386.1,189.61 -385.61,192.05
  region net GND: -106.9,472.97 -107.45,475.7 -108.99,478.02 -111.31,479.56 -114.04,480.11 -116.77,479.56 -117.55,479.05 -119.09,478.02 -120.63,475.7 -121.18,472.97 -120.63,470.24 -119.09,467.92 -117.55,466.9 -116.77,466.38 -114.04,465.83 -111.31,466.38 -108.99,467.92 -107.45,470.24 -106.9,472.97
  region net GND: -143.01,299.78 -143.55,302.52 -145.1,304.83 -147.41,306.38 -150.14,306.92 -152.88,306.38 -153.65,305.86 -155.19,304.83 -156.74,302.52 -157.28,299.78 -156.74,297.05 -155.19,294.74 -153.65,293.71 -152.88,293.19 -150.14,292.65 -147.41,293.19 -145.1,294.74 -143.55,297.05 -143.01,299.78
  region net VBUSC: 15,610 -10,610 -15,605 -15,550 10,525 105,525 115,535 115,575 110,580 80,580 75,575 25,575 20,580 20,605 15,610
  region net NetL1_1: 430,-185 430,-90 425,-85 395,-85 390,-90 390,-185 395,-190 425,-190 430,-185
  region net P3V3D: 455,-160 510,-160 515,-165 515,-200 510,-205 455,-205 450,-200 450,-165 455,-160
  region net P5V: -65,585 -40,585 -35,590 -35,615 -40,620 -150,620 -175,595 -175,550 -198,527 -242,527 -270,555 -270,600 -285,615 -330,615 -350,595 -350,550 -293,493 -174,493 -145,522 -145,580 -135,590 -70,590
  region net GND: 147.14,411.27 146.59,414 145.05,416.32 142.73,417.86 140,418.41 137.27,417.86 136.49,417.35 134.95,416.32 133.41,414 132.86,411.27 133.41,408.54 134.95,406.22 136.49,405.2 137.27,404.68 140,404.13 142.73,404.68 145.05,406.22 146.59,408.54 147.14,411.27
  region net GND: -43.21,268.78 -43.75,271.52 -45.3,273.83 -47.61,275.38 -50.35,275.92 -53.08,275.38 -53.85,274.86 -55.39,273.83 -56.94,271.52 -57.48,268.78 -56.94,266.05 -55.39,263.74 -53.85,262.71 -53.08,262.19 -50.35,261.65 -47.61,262.19 -45.3,263.74 -43.75,266.05 -43.21,268.78
  region net EN: -230,550 -200,550 -185,565 -185,600 -170,615 -170,635 -200,635 -240,595 -240,560 -230,550
  region net P1V2D: 659,-478 688,-478 699,-467 699,-350 691,-342 680,-342 680,-297 692,-285 716,-285 723,-292 723,-480 701,-502 661,-502 655,-496 655,-482 659,-478
  region net P3V3D: 360,-205 360,-120 370,-110 370,-90 365,-85 250,-85 240,-95 240,-100 240,-200 250,-210 355,-210 360,-205
  region net GND: 250,-70 520,-70 525,-65 525,-45 520,-40 490,-40 480,-50 455,-50 450,-45 450,-20 485,15 560,15 570,25 570,40 560,50 445,50 440,45 440,-45 435,-50 390,-50 370,-30 250,-30 240,-40 240,-60 250,-70
  region net GND: 240.87,262 240.32,264.73 238.78,267.05 236.46,268.59 233.73,269.14 231,268.59 230.22,268.08 228.68,267.05 227.14,264.73 226.59,262 227.14,259.27 228.68,256.95 230.22,255.92 231,255.41 233.73,254.86 236.46,255.41 238.78,256.95 240.32,259.27 240.87,262
  region net GND: 350.14,562 349.59,564.73 348.05,567.05 345.73,568.59 343,569.14 340.27,568.59 339.49,568.08 337.95,567.05 336.41,564.73 335.86,562 336.41,559.27 337.95,556.95 339.49,555.92 340.27,555.41 343,554.86 345.73,555.41 348.05,556.95 349.59,559.27 350.14,562
  region net GND: -40,575 -130,575 -135,570 -135,555 -130,550 -40,550 -35,555 -35,570 -40,575
  region net GND: -361.3,407.11 -361.79,409.55 -363.17,411.64 -365.25,413.01 -367.69,413.49 -370.13,413.01 -370.83,412.55 -372.21,411.64 -373.59,409.55 -374.08,407.11 -373.59,404.68 -372.21,402.59 -370.83,401.68 -370.13,401.2 -367.69,400.72 -365.25,401.2 -363.17,402.59 -361.79,404.68 -361.3,407.11
  region net P5V: 430,-35 425,-40 400,-40 370,-10 320,-10 310,0 310,35 325,50 410,50 420,40 420,-5 430,-15 430,-35
  region net GND: -346.47,301.97 -347.02,304.7 -348.56,307.02 -350.88,308.56 -353.61,309.11 -356.34,308.56 -357.12,308.05 -358.66,307.02 -360.2,304.7 -360.75,301.97 -360.2,299.24 -358.66,296.92 -357.12,295.89 -356.34,295.38 -353.61,294.83 -350.88,295.38 -348.56,296.92 -347.02,299.24 -346.47,301.97
  region net P5V: -345,545 -285,545 -270,560 -270,595 -210,655 -180,655 -175,660 -175,680 -180,685 -260,685 -350,595 -350,550 -345,545
  region net GND: 213.14,396.27 212.59,399 211.05,401.32 208.73,402.86 206,403.41 203.27,402.86 202.49,402.35 200.95,401.32 199.41,399 198.86,396.27 199.41,393.54 200.95,391.22 202.49,390.2 203.27,389.68 206,389.13 208.73,389.68 211.05,391.22 212.59,393.54 213.14,396.27
  region net GND: -403.47,309.97 -404.02,312.7 -405.56,315.02 -407.88,316.56 -410.61,317.11 -413.34,316.56 -414.12,316.05 -415.66,315.02 -417.2,312.7 -417.75,309.97 -417.2,307.24 -415.66,304.92 -414.12,303.89 -413.34,303.38 -410.61,302.83 -407.88,303.38 -405.56,304.92 -404.02,307.24 -403.47,309.97
  region net GND: -39.86,500 -40.41,502.73 -41.95,505.05 -44.27,506.59 -47,507.14 -49.73,506.59 -50.51,506.08 -52.05,505.05 -53.59,502.73 -54.14,500 -53.59,497.27 -52.05,494.95 -50.51,493.92 -49.73,493.41 -47,492.86 -44.27,493.41 -41.95,494.95 -40.41,497.27 -39.86,500
  region net NetR5_2: 460,-110 460,-90 465,-85 510,-85 515,-90 515,-135 510,-140 475,-140 470,-135 470,-120 460,-110
  region net P3V3D: -21,678 -63,678 -70,685 -70,700 -60,710 -10,710 -5,705 -3,703 -3,692 -6,689 -6,672 -15,672 -21,678
  region net GND: 350.14,618 349.59,620.73 348.05,623.05 345.73,624.59 343,625.14 340.27,624.59 339.49,624.08 337.95,623.05 336.41,620.73 335.86,618 336.41,615.27 337.95,612.95 339.49,611.92 340.27,611.41 343,610.86 345.73,611.41 348.05,612.95 349.59,615.27 350.14,618
  text "TOP LAYER" at 93.9,-1132.7 h100
L2_GND:
  text "LAYER2 (GND)" at 19.9,-1131.83 h100
L3_PWR:
  text "LAYER 3 (POWER)" at -4.1,-1131.7 h100
Bottom Layer:
  region net P5V: -135,620 -54,620 -42,608 -42,588 -49,581 -145,581 -153,589 -153,612
  region net P3V3D: 754,-378 723,-378 717,-372 717,-323 735,-305 750,-305 755,-310 755,-359 758,-362 758,-374 754,-378
  region net GND: 770,-445 770,-400 775,-395 775,-370 770,-365 770,-310 775,-305 817,-305 827,-315 827,-473 820,-480 775,-480 770,-475 770,-445
  region net P3V3D: 360,-140 360,-120 350,-110 245,-110 240,-115 240,-200 250,-210 505,-210 515,-200 515,-160 505,-150 370,-150 360,-140
  region net P1V2D: 750,-475 750,-420 745,-415 720,-415 655,-480 655,-490 660,-495 730,-495 750,-475
  text "BOTTOM LAYER" at 31.9,-1132.7 h100

## Silkscreen, mask and mechanical layers (free items; w line width, h text height)
Top Overlay:
  drawing of 4137 lines, arcs and shapes, not listed
  text "I2C_EN" at -296.95,770.98 h39.37 r90
  text "Camera 2" at 150,610 h60
  text "GPIO" at 630,560 h60
  text "AON" at -147.69,510.47 h39.37
  text "3.3V" at 920,500.67 h60
  text "5V" at 965,435.67 h60
  text "A3" at 960,370.67 h60
  text "DONE" at 1025,255.67 h60
  text "SW1/B1" at 979.22,242.25 h60 r270
  text "USBC" at -375.68,65.47 h39.37
  text "SW2/A1" at 984.84,-39.4 h60 r270
  text "JTAG" at -420.55,-294.53 h39.37
  text "SILKSCREEN TOP" at 28.9,-1239.7 h100
Bottom Overlay:
  drawing of 4053 lines, arcs and shapes, not listed
  text "Camera 1" at 795,870 h60
  text "2.8V" at 155.05,830.55 h50
  text "1.2V" at 620,812.02 h50
  text "D0" at 460.63,635.55 h50
  text "D3" at 156,621.05 h50
  text "D5" at 276,619.55 h50
  text "D4" at 337.83,577.5 h50
  text "SDA" at 723.33,531.44 h50
  text "SCL" at 602.36,529.58 h50
  text "G1" at 816.14,505.55 h50
  text "D2" at 465,505 h50
  text "A1" at 813.69,461.72 h50
  text "D1" at 410,375 h50
  text "3.3V" at 370,-235.45 h50
  text "tinyCamera v1" at 74.39,-280 h78.74
  text "5V" at 655.42,-381.57 h50
  text "SILKSCREEN BOTTOM" at 862.9,-1237.7 h100
Top Paste:
  text "PASTEMASK TOP" at -24.1,-1424.7 h100
Bottom Paste:
  text "PASTEMASK BOTTOM" at -117.1,-1424.7 h100
Top Solder:
  text "SOLDERMASK TOP" at -27.1,-1325.7 h100
Bottom Solder:
  text "SOLDERMASK BOTTOM" at -145.1,-1329.7 h100
Drill Guide:
  lines w10: -503,-453.96 ccw(c-423,-453.96) -423,-533.96 1149.37,-533.96 ccw(c1149.37,-453.96) 1229.37,-453.96 ; -503,-453.96 -503,882.02 ; -503,-453.96 -503,-453.96 ; -503,882.02 cw(c-423,882.02) -423,962.02 1149.37,962.02 cw(c1149.37,882.02) 1229.37,882.02 ; -503,882.02 -503,882.02 ; 1229.37,-453.96 1229.37,-453.96 ; 1229.37,-453.96 1229.37,882.02 ; 1229.37,882.02 1229.37,882.02
  text "DRILL GUIDE" at 120,-1520.8 h100
Outline:
  the board outline again, w1
  text "BOARD OUTLINE" at 14,-1618.8 h100
Top Assembly:
  lines w10: -503,-453.96 ccw(c-423,-453.96) -423,-533.96 1149.37,-533.96 ccw(c1149.37,-453.96) 1229.37,-453.96 ; -503,-453.96 -503,882.02 ; -503,-453.96 -503,-453.96 ; -503,882.02 cw(c-423,882.02) -423,962.02 1149.37,962.02 cw(c1149.37,882.02) 1229.37,882.02 ; -503,882.02 -503,882.02 ; 1229.37,-453.96 1229.37,-453.96 ; 1229.37,-453.96 1229.37,882.02 ; 1229.37,882.02 1229.37,882.02
  text "ASSEMBLY TOP" at 35,-1025 h100
Bottom Assembly:
  lines w10: -503,-453.96 ccw(c-423,-453.96) -423,-533.96 1149.37,-533.96 ccw(c1149.37,-453.96) 1229.37,-453.96 ; -503,-453.96 -503,882.02 ; -503,-453.96 -503,-453.96 ; -503,882.02 cw(c-423,882.02) -423,962.02 1149.37,962.02 cw(c1149.37,882.02) 1229.37,882.02 ; -503,882.02 -503,882.02 ; 1229.37,-453.96 1229.37,-453.96 ; 1229.37,-453.96 1229.37,882.02 ; 1229.37,882.02 1229.37,882.02
  text "ASSEMBLY BOTTOM" at 845,-1025 h100
Drill Drawing:
  drawing of 260 lines, arcs and shapes, not listed
  text "FABRICATION NOTE" at 2850.04,4827.14 h100
  text "IMPEDANCE TABLE" at -111.24,4791.76 h100
  text "NOTES: (UNLESS OTHERWISE SPECIFIED)" at 2850.92,4724.69 h100
  text "IMPEDANCE" at -172.24,4540.76 h80
  text "1. FABRICATE PER IPC-6012B TYPE 2 CLASS 3" at 2836.94,4526.01 h50
  text "WIDTH" at 946.76,4433.76 h80
  text "SPACE" at 1574.76,4433.76 h80
  text "2. MATERIAL:" at 2836.94,4406.01 h50
  text "BASE MATERIAL  : FR4 Tg 180" at 3338.75,4405.75 h50
  text "LAYER" at -1105.24,4404.76 h80
  text "SINGLE END" at -550.24,4319.76 h80
  text "DIFF" at 299.72,4315.4 h80
  text "3. BOARD THICKNESS: 1.6MM +/- 10% TOL." at 2836.94,4286.01 h50
  text "4. NO OF LAYERS: 04" at 2840.68,4191.82 h50
  text "----" at 1570.67,4082.28 h50
  text "----" at 243.48,4081.47 h50
  text "6 MILS" at 893.72,4076.82 h100
  text "5. SURFACE FINISH: ENIG FINISH, 1u Gold" at 2840.68,4071.82 h50
  text "50 OHM" at -498.48,4066.76 h50
  text "L01 & L04" at -1132.24,4065.76 h80
  text "6. SOLDERMASK CLEARANCE IS GIVEN SAME AS PAD SIZE EXCEPT FIDUCIALS." at 2840.68,3951.82 h50
  text "----" at 1570.67,3882.28 h50
  text "----" at 243.48,3875.09 h50
  text "VENDOR SHALL MODIFY THE MASK CLEARANCE AS PER THE REQUIRED MANUFACTURING TOLERANCE" at 2960.68,3831.82 h50
  text "COLOR: Matte Black" at 2880.68,3711.82 h50
  text "7. SILKSCREEN:DOUBLE SIDE WITH PERMANENT NON CONDUCTIVE WHITE EPOXY INK" at 2840.68,3591.82 h50
  text "SILKSCREEN MAY BE TRIMMED OFF ANY SOLDERED ENTITY." at 2880.68,3471.82 h50
  text "90 OHM" at 220.57,3458.91 h50
  text "8 MILS" at 1505.6,3450.33 h100
  text "----" at -482.7,3446.98 h50
  text "6 MILS" at 881.91,3447.23 h100
  text "L01 & L04" at -1136.24,3439.6 h80
  text "8. BOW AND TWIST NOT TO EXCEED 0.180MM (0.007\") PER INCH AS MEASURED PER IPC-TM-650." at 2840.68,3351.82 h50
  text "8 MILS" at 1505.6,3256.33 h100
  text "5 MILS" at 881.91,3244.23 h100
  text "----" at -482.7,3236.35 h50
  text "L01 & L04" at -1136.24,3232.6 h80
  text "100 OHM" at 220.57,3233.36 h50
  text "9. 100%CONTINUITY TESTING USING DATABASE NETLIST SHALL BE PERFORMED." at 2840.68,3231.82 h50
  text "10. VENDOR SHOULD FOLLOW ROHS COMPLAINT PROCESS FOR MANUFACTURING." at 2840.68,3111.82 h50
  text "Layer" at 2926.22,2793.09 h100
  text "Name" at 3359.23,2793.09 h100
  text "Material" at 4217.36,2793.09 h100
  text "Thickness" at 4985.03,2793.09 h100
  text "Constant" at 5616.36,2793.09 h100
  text "Board Layer Stack" at 6198.76,2793.09 h100
  text "Top Overlay" at 3359.23,2593.09 h100
  text "Top Solder" at 3359.23,2393.09 h100
  text "Solder Resist" at 4217.36,2393.09 h100
  text "0.80mil" at 4985.03,2393.09 h100
  text "3.5" at 5616.36,2393.09 h100
  text "1" at 2926.22,2193.09 h100
  text "Top Layer" at 3359.23,2193.09 h100
  text "1.38mil" at 4985.03,2193.09 h100
  text "Dielectric 2" at 3359.23,1993.09 h100
  text "PP-006" at 4217.36,1993.09 h100
  text "3.94mil" at 4985.03,1993.09 h100
  text "4.05" at 5616.36,1993.09 h100
  text "2" at 2926.22,1793.09 h100
  text "L2_GND" at 3359.23,1793.09 h100
  text "CF-004" at 4217.36,1793.09 h100
  text "0.69mil" at 4985.03,1793.09 h100
  text "Dielectric 1" at 3359.23,1593.09 h100
  text "Core-009" at 4217.36,1593.09 h100
  text "49.80mil" at 4985.03,1593.09 h100
  text "4.05" at 5616.36,1593.09 h100
  text "3" at 2926.22,1393.09 h100
  text "L3_PWR" at 3359.23,1393.09 h100
  text "CF-004" at 4217.36,1393.09 h100
  text "0.69mil" at 4985.03,1393.09 h100
  text "Dielectric 3" at 3359.23,1193.09 h100
  text "PP-006" at 4217.36,1193.09 h100
  text "3.94mil" at 4985.03,1193.09 h100
  text "4.05" at 5616.36,1193.09 h100
  text "4" at 2926.22,993.09 h100
  text "Bottom Layer" at 3359.23,993.09 h100
  text "1.38mil" at 4985.03,993.09 h100
  text "Bottom Solder" at 3359.23,793.09 h100
  text "Solder Resist" at 4217.36,793.09 h100
  text "0.80mil" at 4985.03,793.09 h100
  text "3.5" at 5616.36,793.09 h100
  text "Bottom Overlay" at 3359.23,593.09 h100
  text "Total board thickness:" at 2926.22,393.09 h100
  text "63.41mil" at 4985.03,393.09 h100
  text "Symbol" at 2944.87,113.27 h120
  text "Count" at 3446.15,113.27 h120
  text "Hole Size" at 3950,113.27 h120
  text "Plated" at 4933.18,113.27 h120
  text "Hole Type" at 5365.36,113.27 h120
  text "Drill Layer Pair" at 5991.07,113.27 h120
  text "90" at 3446.15,-93.93 h100
  text "8.00mil (0.203mm)" at 3950,-93.93 h100
  text "PTH" at 4933.18,-93.93 h100
  text "Round" at 5365.36,-93.93 h100
  text "Top Layer - Bottom Layer" at 5991.07,-93.93 h100
  text "A" at 2907.31,-103.92 h92.09
  text "155" at 3446.15,-301.13 h100
  text "10.00mil (0.254mm)" at 3950,-301.13 h100
  text "PTH" at 4933.18,-301.13 h100
  text "Round" at 5365.36,-301.13 h100
  text "Top Layer - Bottom Layer" at 5991.07,-301.13 h100
  text "B" at 2907.31,-311.12 h92.09
  text "8" at 3446.15,-508.33 h100
  text "15.00mil (0.381mm)" at 3950,-508.33 h100
  text "PTH" at 4933.18,-508.33 h100
  text "Round" at 5365.36,-508.33 h100
  text "Top Layer - Bottom Layer" at 5991.07,-508.33 h100
  text "D" at 2907.31,-518.32 h92.09
  text "1" at 3446.15,-715.53 h100
  text "19.69mil (0.500mm)" at 3950,-715.53 h100
  text "NPTH" at 4933.18,-715.53 h100
  text "Slot" at 5365.36,-715.53 h100
  text "Top Layer - Bottom Layer" at 5991.07,-715.53 h100
  text "E" at 2907.31,-725.52 h92.09
  text "2" at 3446.15,-922.73 h100
  text "23.62mil (0.600mm)" at 3950,-922.73 h100
  text "PTH" at 4933.18,-922.73 h100
  text "Slot" at 5365.36,-922.73 h100
  text "Top Layer - Bottom Layer" at 5991.07,-922.73 h100
  text "F" at 2907.31,-932.72 h92.09
  text "2" at 3446.15,-1129.93 h100
  text "23.62mil (0.600mm)" at 3950,-1129.93 h100
  text "PTH" at 4933.18,-1129.93 h100
  text "Slot" at 5365.36,-1129.93 h100
  text "Top Layer - Bottom Layer" at 5991.07,-1129.93 h100
  text "C" at 2907.31,-1139.92 h92.09
  text "1" at 3446.15,-1337.13 h100
  text "24.80mil (0.630mm)" at 3950,-1337.13 h100
  text "NPTH" at 4933.18,-1337.13 h100
  text "Round" at 5365.36,-1337.13 h100
  text "Top Layer - Bottom Layer" at 5991.07,-1337.13 h100
  text "Q" at 2907.31,-1347.12 h92.09
  text "DRILL DRAWING/NO BOTTOM PASTEMASK" at -509.8,-1518.2 h100
  text "2" at 3446.15,-1544.33 h100
  text "29.53mil (0.750mm)" at 3950,-1544.33 h100
  text "PTH" at 4933.18,-1544.33 h100
  text "Slot" at 5365.36,-1544.33 h100
  text "Top Layer - Bottom Layer" at 5991.07,-1544.33 h100
  text "G" at 2907.31,-1554.32 h92.09
  text "3" at 3446.15,-1751.53 h100
  text "35.43mil (0.900mm)" at 3950,-1751.53 h100
  text "PTH" at 4933.18,-1751.53 h100
  text "Round" at 5365.36,-1751.53 h100
  text "Top Layer - Bottom Layer" at 5991.07,-1751.53 h100
  text "H" at 2907.31,-1761.52 h92.09
  text "2" at 3446.15,-1958.73 h100
  text "39.37mil (1.000mm)" at 3950,-1958.73 h100
  text "PTH" at 4933.18,-1958.73 h100
  text "Round" at 5365.36,-1958.73 h100
  text "Top Layer - Bottom Layer" at 5991.07,-1958.73 h100
  text "M" at 2907.31,-1968.72 h92.09
  text "1" at 3446.15,-2165.93 h100
  text "118.11mil (3.000mm)" at 3950,-2165.93 h100
  text "PTH" at 4933.18,-2165.93 h100
  text "Round" at 5365.36,-2165.93 h100
  text "Top Layer - Bottom Layer" at 5991.07,-2165.93 h100
  text "K" at 2907.31,-2175.92 h92.09
  text "4" at 3446.15,-2373.13 h100
  text "145.67mil (3.700mm)" at 3950,-2373.13 h100
  text "PTH" at 4933.18,-2373.13 h100
  text "Round" at 5365.36,-2373.13 h100
  text "Top Layer - Bottom Layer" at 5991.07,-2373.13 h100
  text "J" at 2907.31,-2383.12 h92.09
  text "271 Total" at 3446.15,-2580.33 h100
  text "Slot definitions :" at 2944.87,-2725.37 h100
  text "Routed Path Length" at 3696.06,-2725.37 h100
  text "= Calculated from tool start centre position to tool end centre position." at 4595.63,-2725.37 h100
  text "Hole Length" at 3696.06,-2808.25 h100
  text "= Routed Path Length + Tool Size = Slot length as defined in the PCB layout" at 4262.63,-2808.25 h100

## Dimensions
-141.11,812.02 to -141.11,-369 on Drill Drawing
1040,-369 to -141.11,-369 on Drill Drawing
1149.37,962.02 to 1149.37,-533.96 on Drill Drawing
1229.37,-453.96 to -503,-453.96 on Drill Drawing

## Text inside footprints (layer, text, board x,y; h text height)
J1: Bottom Overlay "16" at 245,725 h50; Bottom Overlay "30" at 500,720 h50; Bottom Overlay "15" at 246,894 h50
J2: Top Assembly "1" at 184.12,409.95 h50; Top Assembly "2" at 181.89,351.09 h50; Top Assembly "60" at 681.1,348.43 h50; Top Assembly "59" at 681.1,407.04 h50; Top Overlay "59" at 700.79,460.79 h50; Top Overlay "60" at 700.79,294.76 h50; Top Overlay "2" at 189.33,294.58 h50; Top Overlay "1" at 191.96,460.24 h50
J3: Top Assembly "1" at 184.12,-377.45 h50; Top Assembly "2" at 181.89,-436.31 h50; Top Assembly "60" at 681.1,-438.97 h50; Top Assembly "59" at 681.1,-380.37 h50; Top Overlay "59" at 700.79,-326.61 h50; Top Overlay "60" at 692.76,-499.45 h50; Top Overlay "2" at 189.33,-492.82 h50; Top Overlay "1" at 191.96,-327.17 h50
J4: Top Assembly "Actuator Locked" at -594.22,889.57 h39.4
J6: Top Assembly "PCB Edge" at -494.19,44.88 h32 r270
U4: Top Assembly "A" at -160.01,595.01 h50 r90; Top Assembly "B" at -125.01,600.01 h50 r90; Top Assembly "1" at -185.01,630.01 h50 r90; Top Assembly "2" at -185.01,650.01 h50 r90; Top Overlay "A" at -185,695 h39.37 r270; Top Overlay "1" at -190,625 h39.37
U5: Top Assembly "2" at 25,700 h20 r90; Top Assembly "1" at 5,700 h20 r90; Top Assembly "B" at -20,660 h20; Top Assembly "A" at -20,680 h20; Top Overlay "2" at 39,707 h39.37 r90; Top Overlay "1" at 6,709 h39.37 r90; Top Overlay "B" at -87,635 h39.37; Top Overlay "A" at -90,675 h39.37
U6: Bottom Overlay "A" at 725,-370 h30; Bottom Overlay "1" at 720,-395 h30; Bottom Assembly "A" at 748.64,-365 h20 r90; Bottom Assembly "B" at 768.64,-365 h20 r90; Bottom Assembly "1" at 728.64,-390 h20; Bottom Assembly "2" at 728.64,-410 h20